# KiCad board MXKeyboard.kicad_pcb (continued)
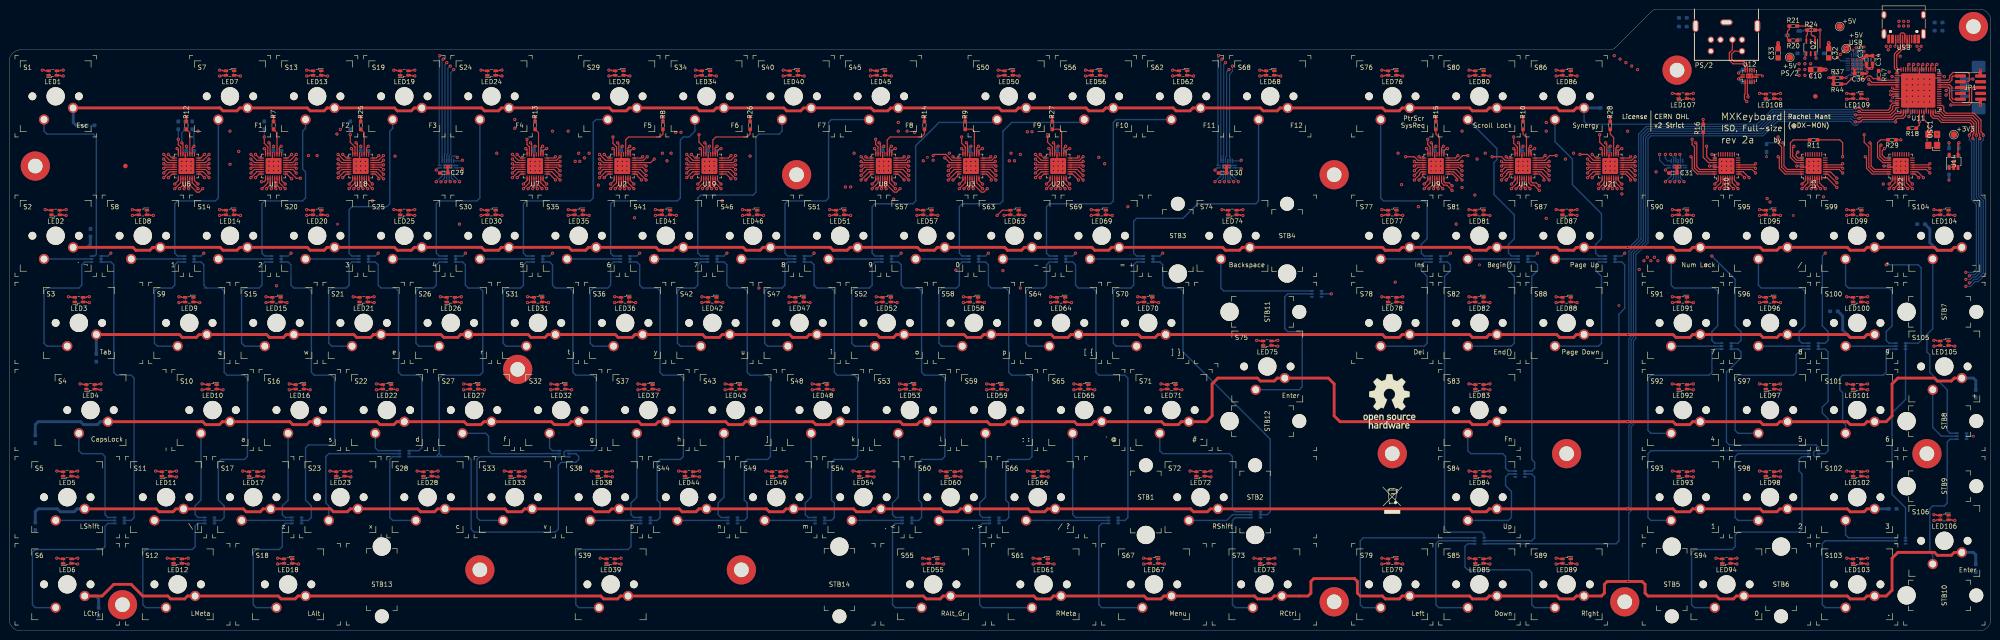
[diagram p0: board, top side]
## Routing (per net, layer and track width the routed paths; a pad name or vN(x,y) marks a point on that pad's centre or on a via; arc(x,y) is an arc through that point) (continued)
  Route6 w0.254: v1(414.91,96.65) 414.65,96.39 414.65,74.68 410.84,70.87 410.84,68.83 411.48,68.2 411.48,47.37 410.84,46.74 410.84,36.83 410.21,36.2 402.84,36.2 v1(401.57,34.93)
/LEDs + Drivers/RED103: length 96.3
  Top w0.254: v1(415.92,96.65) 414.63,97.94 U22.7 ; v1(401.57,15.88) 402.08,15.88 402.22,15.74 LED103.4
  Route6 w0.254: v1(415.92,96.65) 415.29,96.01 415.29,74.3 411.48,70.49 411.48,69.09 412.12,68.45 412.12,47.12 411.48,46.48 411.48,17.78 410.84,17.15 402.84,17.15 v1(401.57,15.88)
/LEDs + Drivers/RED104: length 17.8
  Top w0.254: v1(415.92,97.66) 415.13,98.45 U22.8 ; v1(425.2,90.81) 424.69,90.81 424.55,90.94 LED104.4
  Route6 w0.254: v1(425.2,90.81) 425.2,92.71 424.56,93.35 417.83,93.35 417.19,93.98 417.19,96.39 v1(415.92,97.66)
/LEDs + Drivers/RED105: length 54.4
  Top w0.254: v1(417.32,99.06) 416.53,99.85 U22.9 ; v1(425.2,62.23) 424.69,62.23 424.55,62.37 LED105.4
  Route6 w0.254: v1(417.32,99.06) 417.83,98.55 417.83,94.62 418.46,93.98 429.9,93.98 430.53,93.35 430.53,76.2 426.08,71.76 426.08,63.12 v1(425.2,62.23)
/LEDs + Drivers/RED106: length 97.8
  Top w0.254: v1(418.34,99.06) 417.05,100.35 U22.10 ; v1(425.2,24.13) 424.69,24.13 424.55,24.27 LED106.4
  Route6 w0.254: v1(425.2,24.13) 426.72,24.13 427.35,24.77 427.35,50.17 430.53,53.34 430.53,60.33 426.72,64.14 426.72,71.12 431.17,75.57 431.17,93.98 430.53,94.62 419.1,94.62 418.46,95.25 418.46,98.93 v1(418.34,99.06)
/LEDs + Drivers/RED107: length 76
  Top w0.254: v1(419.73,100.08) 418.96,100.85 U22.11 ; LED107.4 364.12,117.34 363.98,117.48 v1(363.47,117.48)
  Route6 w0.254: v1(419.73,100.08) 419.35,100.08 417.19,102.24 417.19,108.59 416.56,109.22 390.65,109.22 389.25,110.62 389.25,113.67 388.62,114.3 364.11,114.3 363.47,114.94 v1(363.47,117.48)
/LEDs + Drivers/RED108: length 56.2
  Top w0.254: v1(419.73,101.09) 419.48,101.35 U22.12 ; LED108.4 383.17,117.34 383.03,117.48 v1(382.52,117.48)
  Route6 w0.254: v1(419.73,101.09) 419.23,101.09 417.83,102.49 417.83,108.84 416.81,109.86 390.91,109.86 389.89,110.87 389.89,114.3 389.25,114.94 383.16,114.94 382.52,115.57 v1(382.52,117.48)
/LEDs + Drivers/RED109: length 32.9
  Top w0.254: v1(419.73,102.11) 419.48,101.85 U22.13 ; v1(406.15,116.21) 405.64,116.21 405.5,116.34 LED109.4
  Route6 w0.254: v1(419.73,102.11) 419.1,102.11 418.46,102.74 418.46,109.09 417.07,110.49 405.76,110.49 405.13,111.13 405.13,115.19 v1(406.15,116.21)
/LEDs + Drivers/SCLK_BLUE: length 430.5
  Top w0.254: U11.21 418.94,123.54 v1(419.23,123.83) ; v1(367.79,107.44) 367.79,106.3 368.3,105.79 368.3,101.22 369.17,100.35 U10.31 ; v1(36.96,107.44) 36.96,106.3 37.48,105.77 U6.31 ; v1(113.16,107.44) 113.16,106.3 113.68,105.77 U7.31 ; v1(189.36,107.44) 189.36,106.3 189.88,105.77 U8.31 ; v1(310.01,107.44) 310.01,106.3 310.53,105.77 U9.31
  Route12 w0.254: v1(419.23,123.83) 419.23,124.46 418.59,125.1 414.53,125.1 413.51,124.08 410.21,124.08 408.94,122.81 408.94,108.46 407.92,107.44 406.27,107.44 406.02,107.19 388.24,107.19 387.98,107.44 387.22,107.44 386.97,107.19 369.19,107.19 368.94,107.44 v1(367.79,107.44) 367.54,107.19 349.5,107.19 349.25,107.44 348.49,107.44 348.23,107.19 330.45,107.19 330.2,107.44 329.44,107.44 329.18,107.19 311.4,107.19 311.15,107.44 v1(310.01,107.44) 309.75,107.19 228.85,107.19 228.6,107.44 227.84,107.44 227.58,107.19 209.8,107.19 209.55,107.44 208.79,107.44 208.53,107.19 190.75,107.19 190.5,107.44 v1(189.36,107.44) 189.1,107.19 152.65,107.19 152.4,107.44 151.64,107.44 151.38,107.19 133.6,107.19 133.35,107.44 132.59,107.44 132.33,107.19 114.55,107.19 114.3,107.44 v1(113.16,107.44) 112.9,107.19 76.45,107.19 76.2,107.44 75.44,107.44 75.18,107.19 57.4,107.19 57.15,107.44 56.39,107.44 56.13,107.19 38.35,107.19 38.1,107.44 v1(36.96,107.44)
  Bottom w0.254: R40.2 v1(36.96,107.44)
/LEDs + Drivers/SCLK_GREEN: length 417.4
  Top w0.254: U11.17 420.94,123.51 v1(421.26,123.83) ; v1(386.59,107.95) 386.59,106.55 387.35,105.79 387.35,101.35 388.35,100.35 U5.31 ; v1(55.75,107.95) 55.75,106.55 56.54,105.77 U1.31 ; v1(131.95,107.95) 131.95,106.55 132.74,105.77 U2.31 ; v1(208.15,107.95) 208.15,106.55 208.94,105.77 U3.31 ; v1(328.8,107.95) 328.8,106.55 329.58,105.77 U4.31
  Route12 w0.254: v1(421.26,123.83) 421.26,124.97 420.62,125.6 414.27,125.6 413.26,124.59 409.96,124.59 408.43,123.06 408.43,108.71 407.67,107.95 406.02,107.95 405.76,107.7 388.49,107.7 388.24,107.95 v1(386.59,107.95) 386.33,107.7 369.44,107.7 368.94,108.2 367.41,108.2 366.9,107.7 349.76,107.7 349.5,107.95 348.23,107.95 347.98,107.7 330.71,107.7 330.45,107.95 v1(328.8,107.95) 328.55,107.7 311.66,107.7 311.15,108.2 309.63,108.2 309.12,107.7 229.11,107.7 228.85,107.95 227.58,107.95 227.33,107.7 210.06,107.7 209.8,107.95 v1(208.15,107.95) 207.9,107.7 191.01,107.7 190.5,108.2 188.98,108.2 188.47,107.7 152.91,107.7 152.65,107.95 151.38,107.95 151.13,107.7 133.86,107.7 133.6,107.95 v1(131.95,107.95) 131.7,107.7 114.81,107.7 114.3,108.2 112.78,108.2 112.27,107.7 76.71,107.7 76.45,107.95 75.18,107.95 74.93,107.7 57.66,107.7 57.4,107.95 v1(55.75,107.95)
  Bottom w0.254: R39.1 v1(55.75,107.95)
/LEDs + Drivers/SCLK_RED: length 396.5
  Top w0.254: U11.27 415.94,123.59 v1(416.18,123.83) ; v1(405.38,108.46) 405.38,106.81 406.4,105.79 406.4,101.35 407.4,100.35 U22.31 ; v1(347.6,108.46) 347.6,106.81 348.63,105.77 U21.31 ; v1(226.95,108.46) 226.95,106.81 227.98,105.77 U20.31 ; v1(150.75,108.46) 150.75,106.81 151.79,105.77 U19.31 ; v1(74.55,108.46) 74.55,106.81 75.58,105.77 U18.31
  Route10 w0.254: v1(416.18,123.83) 416.18,125.1 415.67,125.6 v1(413.26,125.6)
  Route12 w0.254: v1(413.26,125.6) 412.75,125.1 409.7,125.1 407.92,123.32 407.92,108.97 407.42,108.46 v1(405.38,108.46) 405.13,108.2 388.75,108.2 388.24,108.71 386.21,108.71 385.7,108.2 369.7,108.2 369.19,108.71 367.16,108.71 366.65,108.2 350.01,108.2 349.76,108.46 v1(347.6,108.46) 347.34,108.2 330.96,108.2 330.45,108.71 328.42,108.71 327.91,108.2 311.91,108.2 311.4,108.71 309.37,108.71 308.86,108.2 229.36,108.2 229.11,108.46 v1(226.95,108.46) 226.69,108.2 210.31,108.2 209.8,108.71 207.77,108.71 207.26,108.2 191.26,108.2 190.75,108.71 188.72,108.71 188.21,108.2 153.16,108.2 152.91,108.46 v1(150.75,108.46) 150.5,108.2 134.11,108.2 133.6,108.71 131.57,108.71 131.06,108.2 115.06,108.2 114.55,108.71 112.52,108.71 112.01,108.2 76.96,108.2 76.71,108.46 v1(74.55,108.46)
  Bottom w0.254: R41.2 v1(74.55,108.46)
/LEDs + Drivers/XLAT: length 433.8
  Top w0.254: v1(409.07,106.17) 408.81,105.92 408.81,103.76 409.72,102.85 U22.26 ; v1(390.02,105.92) 389.76,105.66 389.76,103.76 390.67,102.85 U5.26 ; v1(370.97,105.92) 370.97,103.63 371.75,102.85 U10.26 ; v1(351.54,105.92) 351.13,105.52 U21.26 ; v1(230.89,105.92) 230.48,105.52 U20.26 ; v1(154.69,105.92) 154.29,105.52 U19.26 ; v1(78.49,105.92) 78.08,105.52 U18.26 ; v1(313.44,105.92) 313.03,105.52 U9.26 ; v1(192.79,105.92) 192.38,105.52 U8.26 ; v1(116.59,105.92) 116.18,105.52 U7.26 ; v1(40.39,105.92) 39.98,105.52 U6.26 ; v1(332.49,105.92) 332.08,105.52 U4.26 ; v1(211.84,105.92) 211.44,105.52 U3.26 ; v1(135.64,105.92) 135.24,105.52 U2.26 ; v1(59.44,105.92) 59.04,105.52 U1.26 ; U11.41 411.67,117.86 411.55,117.98 v2(411.1,117.98)
  Route4 w0.254: v1(409.07,106.17) 409.57,106.68 409.57,116.97 410.59,117.98 v2(411.1,117.98)
  Route12 w0.254: v1(40.39,105.92) 40.64,106.17 56.13,106.17 57.15,105.16 58.67,105.16 v1(59.44,105.92) 59.69,106.17 75.18,106.17 76.2,105.16 77.72,105.16 v1(78.49,105.92) 78.74,106.17 113.28,106.17 114.3,105.16 115.82,105.16 v1(116.59,105.92) 116.84,106.17 132.33,106.17 133.35,105.16 134.87,105.16 v1(135.64,105.92) 135.89,106.17 151.38,106.17 152.4,105.16 153.92,105.16 v1(154.69,105.92) 154.94,106.17 189.48,106.17 190.5,105.16 192.02,105.16 v1(192.79,105.92) 193.04,106.17 208.53,106.17 209.55,105.16 211.07,105.16 v1(211.84,105.92) 212.09,106.17 227.58,106.17 228.6,105.16 230.12,105.16 v1(230.89,105.92) 231.14,106.17 310.13,106.17 311.15,105.16 312.67,105.16 v1(313.44,105.92) 313.69,106.17 329.18,106.17 330.2,105.16 331.72,105.16 v1(332.49,105.92) 332.74,106.17 348.23,106.17 349.25,105.16 350.77,105.16 v1(351.54,105.92) 351.79,106.17 367.92,106.17 368.17,105.92 v1(370.97,105.92) v1(390.02,105.92) 408.81,105.92 v1(409.07,106.17)
  Bottom w0.254: v1(40.39,105.92) 40.39,109.26 R43.1
/Processor + comms/16MHZ: length 5.4
  Top w0.254: U11.59 418.44,111.78 419.42,110.81 OSC1.3
/Processor + comms/CC1: length 18.3
  Top w0.254: USB1.A5 415.27,128.04 v2(415.54,127.76)
  Route10 w0.254: v2(403.61,127.44) 403.61,127.89 403.99,128.27 407.16,128.27 409.7,125.73 411.99,125.73 412.75,126.49 415.16,126.49 415.54,126.87 v2(415.54,127.76)
  Bottom w0.254: U13.15 403.61,127.44 v2(403.61,127.44)
/Processor + comms/CC2: length 15.6
  Top w0.254: v2(412.12,127.76) 412.27,127.92 USB1.B5
  Route10 w0.254: v2(412.12,127.76) 412.12,126.75 411.61,126.24 409.96,126.24 407.42,128.78 403.85,128.78 402.91,127.83 v2(402.91,126.94)
  Bottom w0.254: U13.14 403.11,126.73 v2(402.91,126.94)
/Processor + comms/D+: length 23.5
  Top w0.254: 413.27,127.39 v2(413,127.38) 413.13,127.25 ; 413.27,127.39 USB1.B6 413.27,130.44 413.51,130.68 414.02,130.68 414.27,130.43 USB1.A6 ; 413.27,127.39 413.13,127.25 ; 413.13,127.25 411.99,126.11 411.99,122.97 412.59,122.36 U11.33
  Route6 w0.254: v2(413,127.38) 413.26,127.64 413.26,128.02 412.75,128.52 406.03,128.52 405.38,127.88 v2(405.38,127.64)
  Bottom w0.254: v2(405.38,127.64) 405.38,127.63 404.61,126.85 U13.17
/Processor + comms/D-: length 23.9
  Top w0.254: U11.32 412.95,122.71 412.5,123.16 412.5,125.86 413.77,127.13 ; 414.08,127.44 v2(414.02,127.38) 413.77,127.13 ; 414.08,127.44 414.77,128.13 USB1.B7 ; 414.08,127.44 413.89,127.44 413.77,127.57 ; 413.77,127.13 413.77,127.57 ; 413.77,127.57 USB1.A7
  Route6 w0.254: v2(404.5,127.64) 405.89,129.03 412.88,129.03 413.77,128.15 413.77,127.64 v2(414.02,127.38)
  Bottom w0.254: U13.16 404.11,127 404.5,127.38 v2(404.5,127.64)
/Processor + comms/DBG_RX: length 26.7
  Top w0.254: v2(411.1,117.18) 411.51,117.18 411.68,117.36 U11.42
  Route10 w0.254: v2(411.1,117.18) 410.59,117.18 409.7,116.33 409.7,114.17 410.46,113.41 421.13,113.41 421.89,114.17 421.89,116.59 422.4,117.09 v1(423.29,117.09)
  Bottom w0.254: v1(423.29,117.09) 424.31,118.11 J1.3
/Processor + comms/DBG_TX: length 25.3
  Top w0.254: v2(411.58,116.54) 411.9,116.86 U11.43
  Route10 w0.254: v2(411.58,116.54) 410.67,116.54 410.21,116.08 410.21,114.43 410.72,113.92 420.88,113.92 421.39,114.43 421.39,116.84 422.15,117.6 422.78,117.6 v1(423.29,118.11)
  Bottom w0.254: v1(423.29,118.11) 423.8,118.62 425.96,118.62 426.71,119.37 J1.2
/Processor + comms/PD_VCore: length 1.7
  Top w0.508: v2(406.02,122.05) 405.76,121.79 C36.1
  Bottom w0.254: v2(406.02,122.05) 406.02,122.44 U13.24
/Processor + comms/PD_VIO: length 19
  Top w0.508: C35.1 405.89,123.32 406.27,122.94 v2(407.03,122.94) 407.23,123.13 C34.1
  Route6 w0.508: v2(399.03,121.92) 399.03,122.56 402.21,125.73 406.02,125.73 407.03,124.71 v2(407.03,122.94)
  Bottom w0.254: v2(407.03,122.94) 406.9,123.08 U13.23
  Bottom w0.508: v2(399.03,121.92) 398.69,121.58 R46.2 R45.2
/Processor + comms/PS2_CLK: length 8.8
  Top w0.254: PS/2.5 377.02,126.71 376.43,126.11 376.43,124.97 376.94,124.46 379.09,124.46 379.87,123.69 U12.12
/Processor + comms/PS2_DATA: length 9.6
  Top w0.254: PS/2.1 376.58,127.03 375.92,126.37 375.92,124.71 376.68,123.95 378.84,123.95 379.37,123.43 U12.13
/Processor + comms/TCK: length 4.6
  Top w0.254: 425.38,121.29 424.81,121.29 424.56,121.03 424.56,120.4 424.02,119.86 U11.12
/Processor + comms/TDI: length 7.4
  Top w0.254: U11.11 424.07,119.36 424.56,118.87 424.56,116.46 424.81,116.21 JP1.9
/Processor + comms/TDO: length 11.3
  Top w0.254: JP1.3 428.12,120.02 428.37,120.27 428.37,121.79 428.12,122.05 424.81,122.05 424.05,121.29 424.05,120.65 423.76,120.36 U11.13
/Processor + comms/TMS: length 14.4
  Top w0.254: JP1.5 428.12,118.75 428.37,118.49 428.37,115.7 428.12,115.44 424.81,115.44 424.05,116.21 424.05,118.62 423.81,118.86 U11.10
/Processor + comms/~{PD_OK}: length 10.6
  Top w0.254: U11.36 408.89,120.36 R47.2 407.38,120.69 406.78,121.29 406.15,121.29 405.51,120.65 v2(404.62,120.65)
  Bottom w0.254: U13.4 403.61,120.9 403.86,120.65 v2(404.62,120.65)
/Processor + comms/~{RESET}: length 22.2
  Top w0.254: v1(417.45,111.25) 417.45,113.51 U11.57 ; v1(417.45,111.25) 417.44,111.26 ; v1(417.45,111.25) 417.45,110.53 R18.1 ; JP1.6 429.13,118.75 428.88,118.49 428.88,115.44 428.37,114.94 v1(424.31,114.94)
  Route4 w0.254: v1(417.45,111.25) 420.62,111.25 v1(424.31,114.94)
Net-(C12-Pad1): length 3.8
  Top w0.3: v1(426.08,106.68) 425.89,106.49 425.89,104.12
  Bottom w0.3: v1(426.08,106.68) C12.1
Net-(D1-Pad4): length 32.4
  Bottom w0.305: D1.4 16.49,80.63 15.88,80.01 15.88,75.57 15.24,74.93 8.25,74.93 7.62,74.3 7.62,62.87 8.25,62.23 S3.2
Net-(D1-Pad5): length 10.4
  Bottom w0.305: D1.5 S2.2
Net-(D2-Pad4): length 40
  Bottom w0.305: S6.2 5.72,5.08 5.08,5.72 5.08,17.15 5.72,17.78 20.32,17.78 20.95,18.42 20.95,22.86 21.58,23.48 D2.4
Net-(D3-Pad4): length 28.6
  Bottom w0.305: D3.4 36.81,80.63 36.19,80.01 36.19,75.57 35.56,74.93 32.38,74.93 31.75,74.3 31.75,62.87 32.38,62.23 S9.2
Net-(D3-Pad5): length 11.6
  Bottom w0.305: D3.5 S8.2
Net-(D3-Pad6): length 40.4
  Bottom w0.3: 36.81,81.93 36.19,82.55
  Bottom w0.305: 36.19,82.55 36.19,93.35 36.83,93.98 45.08,93.98 45.72,94.62 S7.2 ; 36.81,81.93 D3.6
Net-(D4-Pad4): length 35.6
  Bottom w0.305: S12.2 29.84,5.08 29.21,5.72 29.21,17.15 29.84,17.78 40,17.78 40.64,18.42 40.64,22.86 41.26,23.48 D4.4
Net-(D4-Pad5): length 11
  Bottom w0.305: S11.2 D4.5
Net-(D5-Pad4): length 28.6
  Bottom w0.305: S15.2 51.43,62.23 50.8,62.87 50.8,74.3 51.43,74.93 54.61,74.93 55.24,75.57 55.24,80.01 55.86,80.63 D5.4
Net-(D5-Pad5): length 11.7
  Bottom w0.305: S14.2 D5.5
Net-(D6-Pad5): length 11
  Bottom w0.305: D6.5 S17.2
Net-(D6-Pad6): length 20.7
  Bottom w0.3: 60.31,24.78 59.69,25.4
  Bottom w0.305: 59.69,25.4 59.69,27.31 60.96,28.58 S16.2 ; 60.31,24.78 D6.6
Net-(D7-Pad5): length 11.7
  Bottom w0.305: S20.2 D7.5
Net-(D8-Pad4): length 21.1
  Bottom w0.305: S28.2 83.82,24.13 83.18,24.77 83.18,37.47 83.8,38.09 D8.4
Net-(D8-Pad6): length 8.7
  Bottom w0.305: S22.2 80.01,40.01 80.63,39.39 D8.6
Net-(D9-Pad4): length 28.6
  Bottom w0.305: S26.2 89.54,62.23 88.9,62.87 88.9,74.3 89.54,74.93 92.71,74.93 93.34,75.57 93.34,80.01 93.96,80.63 D9.4
Net-(D9-Pad5): length 11.6
  Bottom w0.305: S25.2 D9.5
Net-(D10-Pad4): length 28.6
  Bottom w0.305: S31.2 108.58,62.23 107.95,62.87 107.95,74.3 108.58,74.93 111.76,74.93 112.39,75.57 112.39,80.01 113.02,80.63 D10.4
Net-(D11-Pad4): length 36.9
  Bottom w0.305: D11.4 102.86,38.09 102.23,37.47 102.23,24.77 102.87,24.13 S33.2
Net-(D11-Pad5): length 24.9
  Bottom w0.305: D11.5 105.41,38.74 104.77,39.37 104.77,42.55 104.14,43.18 S27.2
Net-(D11-Pad6): length 5.6
  Bottom w0.305: D11.6 118.73,39.39 118.11,40.01 S32.2
Net-(D12-Pad4): length 28.6
  Bottom w0.305: D12.4 132.06,80.63 131.44,80.01 131.44,75.57 130.81,74.93 127.64,74.93 127,74.3 127,62.87 127.64,62.23 S36.2
Net-(D12-Pad5): length 11.7
  Bottom w0.305: D12.5 S35.2
Net-(D14-Pad4): length 28.6
  Bottom w0.305: S42.2 146.69,62.23 146.05,62.87 146.05,74.3 146.69,74.93 149.86,74.93 150.5,75.57 150.5,80.01 151.12,80.63 D14.4
Net-(D14-Pad5): length 11.7
  Bottom w0.305: S41.2 D14.5
Net-(D14-Pad6): length 48.5
  Bottom w0.305: S40.2 168.91,109.22 168.27,108.59 163.83,108.59 163.19,107.95 163.19,95.89 162.56,95.25 151.13,95.25 150.5,94.62 150.5,82.55 151.12,81.93 D14.6
Net-(D15-Pad6): length 20.7
  Bottom w0.305: D15.6 155.56,24.78 154.94,25.4 154.94,27.94 156.21,29.21 S43.2
Net-(D16-Pad5): length 11.6
  Bottom w0.305: D16.5 S46.2
Net-(D16-Pad6): length 48.9
  Bottom w0.305: S45.2 179.7,111.76 179.07,111.13 179.07,94.62 178.44,93.98 170.18,93.98 169.55,93.35 169.55,82.55 170.17,81.93 D16.6
Net-(D17-Pad6): length 20.7
  Bottom w0.305: D17.6 174.61,24.78 173.99,25.4 173.99,27.94 175.26,29.21 S48.2
Net-(D18-Pad5): length 11.6
  Bottom w0.305: S51.2 D18.5
Net-(D18-Pad6): length 54.8
  Bottom w0.305: D18.6 189.21,81.93 188.59,82.55 188.59,92.71 189.23,93.35 197.48,93.35 198.12,93.98 198.12,106.05 203.2,111.13 215.26,111.13 S50.2
Net-(D19-Pad6): length 20.7
  Bottom w0.305: D19.6 193.66,24.78 193.04,25.4 193.04,27.94 194.31,29.21 S53.2
Net-(D20-Pad4): length 28.6
  Bottom w0.305: S58.2 203.83,62.23 203.2,62.87 203.2,74.3 203.83,74.93 207.01,74.93 207.64,75.57 207.64,80.01 208.26,80.63 D20.4
Net-(D20-Pad6): length 57.3
  Bottom w0.305: 215.26,93.35 216.53,93.35 217.17,93.98 217.17,109.22 219.07,111.13 234.31,111.13 S56.2 ; 215.26,93.35 215.9,93.35 ; 215.26,93.35 208.28,93.35 207.64,92.71 207.64,82.55 208.26,81.93 D20.6
Net-(D21-Pad4): length 31.2
  Bottom w0.305: S61.2 212.72,5.08 212.09,5.72 212.09,22.86 212.71,23.48 D21.4
Net-(D21-Pad5): length 11
  Bottom w0.305: S60.2 D21.5
Net-(D21-Pad6): length 20.7
  Bottom w0.305: D21.6 212.71,24.78 212.09,25.4 212.09,27.94 213.36,29.21 S59.2
Net-(D22-Pad4): length 28.6
  Bottom w0.305: S64.2 222.88,62.23 222.25,62.87 222.25,74.3 222.88,74.93 226.06,74.93 226.69,75.57 226.69,80.01 227.31,80.63 D22.4
Net-(D22-Pad5): length 11.7
  Bottom w0.305: D22.5 S63.2
Net-(D22-Pad6): length 57.8
  Bottom w0.305: S62.2 241.94,111.76 241.3,111.13 241.3,93.98 240.66,93.35 227.33,93.35 226.69,92.71 226.69,82.55 227.31,81.93 D22.6
Net-(D23-Pad4): length 29.3
  Bottom w0.305: S67.2 238.76,5.08 238.12,5.72 238.12,22.83 238.77,23.48 D23.4
Net-(D23-Pad5): length 18
  Bottom w0.305: S66.2 D23.5
Net-(D23-Pad6): length 25.9
  Bottom w0.305: S65.2 232.41,25.43 233.06,24.78 D23.6
Net-(D24-Pad4): length 28.6
  Bottom w0.305: D24.4 246.37,80.63 245.75,80.01 245.75,75.57 245.11,74.93 241.94,74.93 241.3,74.3 241.3,62.87 241.94,62.23 S70.2
Net-(D24-Pad6): length 56.3
  Bottom w0.305: S68.2 273.05,93.98 272.41,93.35 259.71,93.35 256.54,90.17 246.38,90.17 245.75,89.54 245.75,82.55 246.37,81.93 D24.6
Net-(D26-Pad5): length 39.4
  Bottom w0.305: S75.2 281.94,52.71 282.57,53.34 282.57,64.77 281.94,65.41 279.4,65.41 278.76,66.04 278.76,73.03 279.4,73.66 D26.5
Net-(D27-Pad5): length 11
  Bottom w0.305: D27.5 S77.2
Net-(D27-Pad6): length 41.5
  Bottom w0.305: D27.6 309.23,81.93 308.61,82.55 308.61,84.46 309.88,85.73 309.88,93.35 309.25,93.98 300.35,93.98 299.72,94.62 S76.2
Net-(D28-Pad5): length 11
  Bottom w0.305: D28.5 S81.2
Net-(D28-Pad6): length 36.9
  Bottom w0.305: D28.6 328.28,81.93 327.66,82.55 327.66,84.46 328.93,85.73 328.93,90.93 324.48,95.38 324.48,102.36 325.12,103 325.12,105.41 S80.2
Net-(D29-Pad4): length 30.5
  Bottom w0.305: S88.2 347.34,62.23 347.98,62.87 347.98,77.47 346.71,78.74 346.71,80.01 347.33,80.63 D29.4
Net-(D29-Pad5): length 11
  Bottom w0.305: D29.5 S87.2
Net-(D30-Pad5): length 21.6
  Bottom w0.305: S84.2 327.66,24.13 328.29,24.77 328.29,30.48 327.02,31.75 327.02,33.66 327.66,34.29 D30.5
Net-(D30-Pad6): length 17.5
  Bottom w0.305: S83.2 318.77,39.37 319.4,38.74 326.39,38.74 327.02,38.1 327.02,35.56 327.64,34.94 D30.6
Net-(D31-Pad4): length 34.3
  Bottom w0.305: D31.4 318.75,19.04 318.13,18.42 318.13,13.97 318.77,13.34 332.1,13.34 332.74,12.7 332.74,5.72 333.38,5.08 S89.2
Net-(D31-Pad5): length 29.3
  Bottom w0.305: D31.5 312.42,19.69 311.78,19.05 311.78,5.72 312.42,5.08 S85.2
Net-(D31-Pad6): length 43.9
  Bottom w0.305: D31.6 295.92,20.34 295.27,19.69 295.27,5.72 295.91,5.08 S79.2
Net-(D32-Pad4): length 38.1
  Bottom w0.305: S92.2 358.77,43.18 358.14,43.82 358.14,55.25 358.77,55.88 371.47,55.88 372.11,56.52 372.11,60.96 372.73,61.58 D32.4
Net-(D32-Pad6): length 30.1
  Bottom w0.305: S90.2 363.22,75.57 363.85,74.93 372.75,74.93 373.38,74.3 373.38,66.68 372.11,65.41 372.11,63.5 372.73,62.88 D32.6
Net-(D33-Pad5): length 35
  Bottom w0.305: S98.2 377.82,24.13 377.19,24.77 377.19,38.1 377.82,38.74 D33.5
Net-(D34-Pad5): length 11
  Bottom w0.305: S96.2 D34.5
Net-(D34-Pad6): length 30.1
  Bottom w0.305: D34.6 391.78,62.88 391.16,63.5 391.16,65.41 392.43,66.68 392.43,74.3 391.79,74.93 382.9,74.93 382.27,75.57 S95.2
Net-(D35-Pad4): length 30.1
  Bottom w0.305: S101.2 401.32,45.09 400.69,45.72 400.69,52.07 400.05,52.71 400.05,55.25 400.69,55.88 409.57,55.88 410.21,56.52 410.21,60.96 410.83,61.58 D35.4
Net-(D35-Pad5): length 11
  Bottom w0.305: S100.2 D35.5
Net-(D35-Pad6): length 30.1
  Bottom w0.305: S99.2 401.32,75.57 401.95,74.93 410.84,74.93 411.48,74.3 411.48,66.68 410.21,65.41 410.21,63.5 410.83,62.88 D35.6
Net-(D36-Pad5): length 35
  Bottom w0.305: D36.5 396.88,19.69 396.24,19.05 396.24,5.72 396.88,5.08 S103.2
Net-(D36-Pad6): length 14.4
  Bottom w0.305: S102.2 401.32,20.96 401.94,20.34 D36.6
Net-(D37-Pad4): length 32.4
  Bottom w0.305: D37.4 424.16,41.9 423.54,41.28 423.54,27.94 422.91,27.31 420.37,27.31 419.73,26.67 419.73,17.15 420.37,16.51 S106.2
Net-(D37-Pad5): length 14.3
  Bottom w0.305: D37.5 422.27,42.55 420.37,44.45 S105.2
Net-(D37-Pad6): length 42.2
  Bottom w0.305: S104.2 420.37,66.04 419.1,64.77 419.1,60.96 419.73,60.33 419.73,56.52 423.54,52.71 423.54,43.82 424.16,43.2 D37.6
Net-(LED1-Pad2): length 42.2
  Top w0.254: v1(34.8,104.14) 35.59,103.35 U6.1 ; v1(11.81,121.29) 11.3,121.29 11.17,121.42 LED1.2
  Route4 w0.254: v1(34.8,104.14) 33.66,105.28 33.66,120.65 33.02,121.29 v1(11.81,121.29)
Net-(LED1-Pad3): length 68.8
  Top w0.254: v1(53.85,104.14) 54.64,103.35 U1.1 ; LED1.3 11.17,122.42 11.3,122.56 v1(11.81,122.56)
  Route10 w0.254: v1(53.85,104.14) 53.85,111.25 56.52,113.92 56.52,123.19 55.88,123.83 13.08,123.83 v1(11.81,122.56)
Net-(LED2-Pad2): length 31.2
  Top w0.254: v1(33.78,104.14) 35.07,102.85 U6.2 ; v1(12.45,90.81) 11.94,90.81 11.8,90.94 LED2.2
  Route4 w0.254: v1(33.78,104.14) 33.02,104.14 19.69,90.81 v1(12.45,90.81)
Net-(LED2-Pad3): length 50.3
  Top w0.254: v1(52.83,104.14) 54.12,102.85 U1.2 ; v1(12.45,92.08) 11.94,92.08 11.8,91.94 LED2.3
  Route10 w0.254: v1(12.45,92.08) 20.95,92.08 24.77,95.89 35.81,95.89 36.45,95.25 41.91,95.25 46.99,100.33 47.62,100.33 51.43,104.14 v1(52.83,104.14)
Net-(LED3-Pad2): length 43.2
  Top w0.254: v1(33.78,103.12) 34.56,102.35 U6.3 ; v1(17.53,71.76) 17.02,71.76 16.88,71.89 LED3.2
  Route4 w0.254: v1(17.53,71.76) 18.41,71.76 19.05,72.39 19.05,89.15 33.02,103.12 v1(33.78,103.12)
Net-(LED3-Pad3): length 61.5
  Top w0.254: v1(52.83,103.12) 53.61,102.35 U1.3 ; LED3.3 16.88,72.89 17.02,73.03 v1(17.53,73.03)
  Route10 w0.254: v1(52.83,103.12) 51.43,103.12 48.01,99.7 47.37,99.7 42.29,94.62 36.19,94.62 35.56,95.25 25.15,95.25 19.05,89.15 19.05,73.66 18.41,73.03 v1(17.53,73.03)
Net-(LED4-Pad2): length 64.5
  Top w0.254: v1(33.78,102.11) 34.04,101.85 U6.4 ; v1(20.07,52.71) 19.56,52.71 19.42,52.84 LED4.2
  Route4 w0.254: v1(33.78,102.11) 33.02,102.11 19.69,88.77 19.69,76.2 20.32,75.57 22.22,75.57 22.86,74.93 22.86,53.34 22.22,52.71 v1(20.07,52.71)
Net-(LED4-Pad3): length 82.8
  Top w0.254: v1(52.83,102.11) 53.09,101.85 U1.4 ; LED4.3 19.42,53.84 19.56,53.98 v1(20.07,53.98)
  Route10 w0.254: v1(52.83,102.11) 51.43,102.11 48.39,99.06 47.75,99.06 42.67,93.98 35.94,93.98 35.31,94.62 25.53,94.62 19.69,88.77 19.69,76.2 20.32,75.57 22.22,75.57 22.86,74.93 22.86,54.61 22.22,53.98 v1(20.07,53.98)
Net-(LED5-Pad2): length 92.3
  Top w0.254: v1(33.78,101.09) 34.04,101.35 U6.5 ; v1(14.99,33.66) 14.48,33.66 14.34,33.79 LED5.2
  Route4 w0.254: v1(33.78,101.09) 33.02,101.09 20.32,88.39 20.32,76.84 20.95,76.2 22.86,76.2 23.49,75.57 23.49,53.34 24.13,52.71 25.4,52.71 26.03,52.07 26.03,34.29 25.4,33.66 v1(14.99,33.66)
Net-(LED5-Pad3): length 110.6
  Top w0.254: v1(52.83,101.09) 53.09,101.35 U1.5 ; v1(14.99,34.93) 14.48,34.93 14.34,34.79 LED5.3
  Route10 w0.254: v1(14.99,34.93) 25.4,34.93 26.03,35.56 26.03,54.61 25.4,55.25 24.13,55.25 23.49,55.88 23.49,75.57 22.86,76.2 20.95,76.2 20.32,76.84 20.32,88.39 25.91,93.98 35.05,93.98 35.69,93.35 43.05,93.35 48.13,98.43 48.77,98.43 51.43,101.09 v1(52.83,101.09)
Net-(LED6-Pad2): length 110.9
  Top w0.254: v1(33.78,100.08) 34.56,100.85 U6.6 ; v1(14.99,14.61) 14.48,14.61 14.34,14.74 LED6.2
  Route4 w0.254: v1(14.99,14.61) 26.03,14.61 26.67,15.24 26.67,52.71 26.03,53.34 24.77,53.34 24.13,53.98 24.13,76.2 23.49,76.84 21.59,76.84 20.95,77.47 20.95,88.01 33.02,100.08 v1(33.78,100.08)
Net-(LED6-Pad3): length 129.2
  Top w0.254: v1(52.83,100.08) 53.61,100.85 U1.6 ; LED6.3 14.34,15.74 14.48,15.88 v1(14.99,15.88)
  Route10 w0.254: v1(52.83,100.08) 51.43,100.08 49.15,97.79 48.51,97.79 43.43,92.71 35.43,92.71 34.8,93.35 26.29,93.35 20.95,88.01 20.95,77.47 21.59,76.84 23.49,76.84 24.13,76.2 24.13,56.52 24.77,55.88 26.03,55.88 26.67,55.25 26.67,16.51 26.03,15.88 v1(14.99,15.88)
Net-(LED7-Pad2): length 38.7
  Top w0.254: v1(33.78,99.06) 35.07,100.35 U6.7 ; v1(45.97,122.56) 46.48,122.56 46.62,122.42 LED7.2
  Route4 w0.254: v1(45.97,122.56) 36.19,122.56 35.56,121.92 35.56,100.84 v1(33.78,99.06)
Net-(LED7-Pad3): length 41.9
  Top w0.254: v1(52.83,99.06) 54.12,100.35 U1.7 ; v1(45.97,121.29) 46.48,121.29 46.62,121.42 LED7.3
  Route6 w0.254: v1(50.17,104.78) 50.17,100.97 52.07,99.06 v1(52.83,99.06)
  Route10 w0.254: v1(50.17,104.78) 53.21,107.82 53.21,111.63 55.88,114.3 55.88,121.92 55.24,122.56 48.89,122.56 47.62,121.29 v1(45.97,121.29)
Net-(LED8-Pad2): length 14.4
  Top w0.254: v1(34.8,99.06) 35.59,99.85 U6.8 ; LED8.2 27.57,91.94 27.43,92.08 v1(26.92,92.08)
  Route4 w0.254: v1(34.8,99.06) 34.04,98.3 32.26,98.3 26.92,92.96 v1(26.92,92.08)
